# Altium PCB X3_Developer_RF.PcbDoc
Units mm, origin at the board's own origin, x right, y up, seen from the top; angles counter-clockwise.
Board outline 43.5 x 41.6 mm, 2 copper layers (Top Layer, Bottom Layer); 60 components, 38 nets, 167 pads, 111 vias.
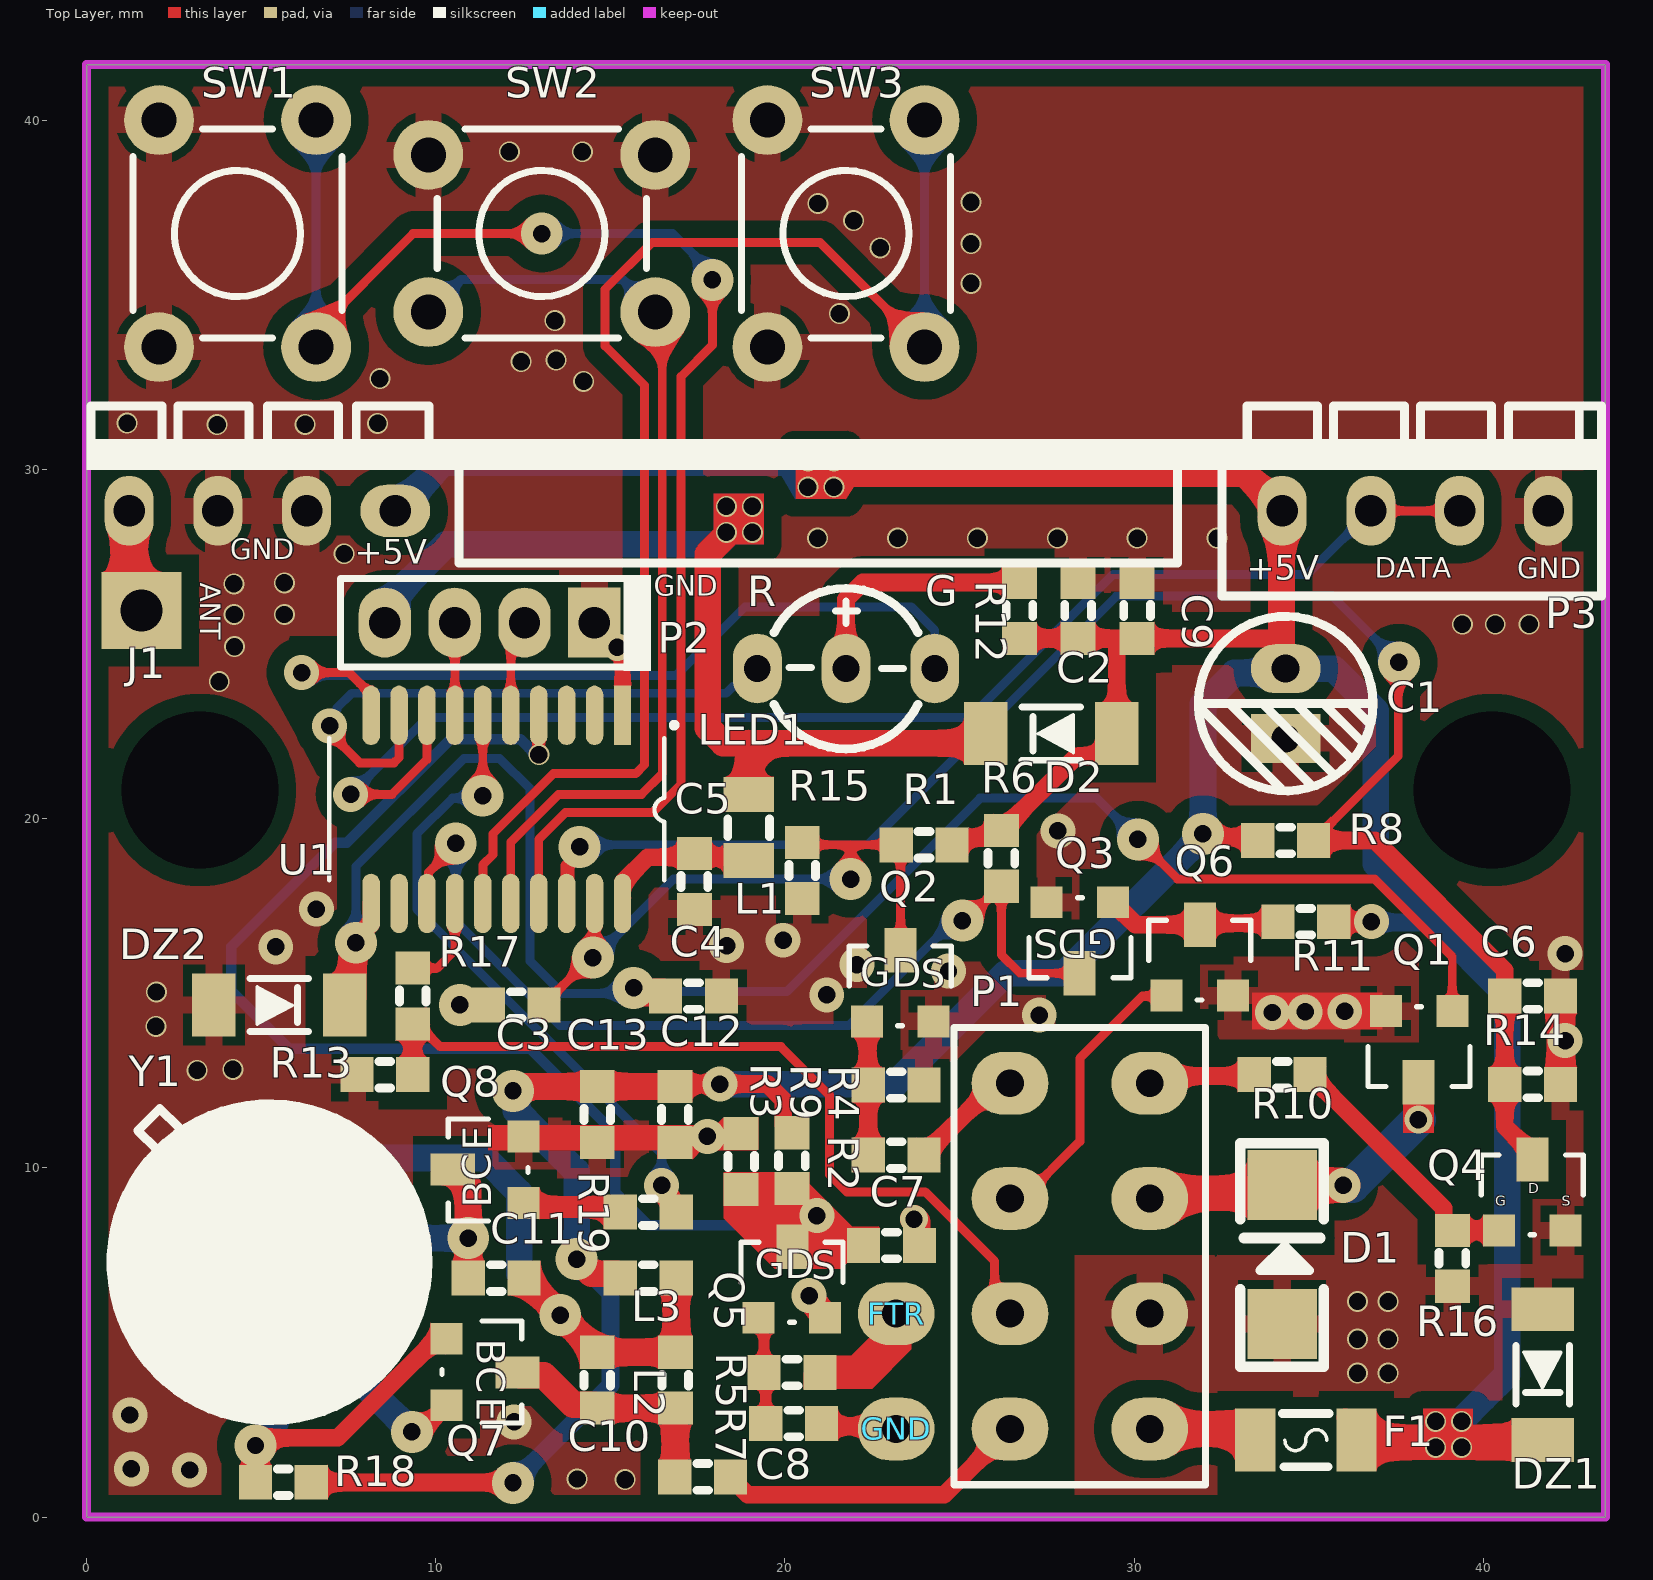
[diagram p0: Top Layer view]
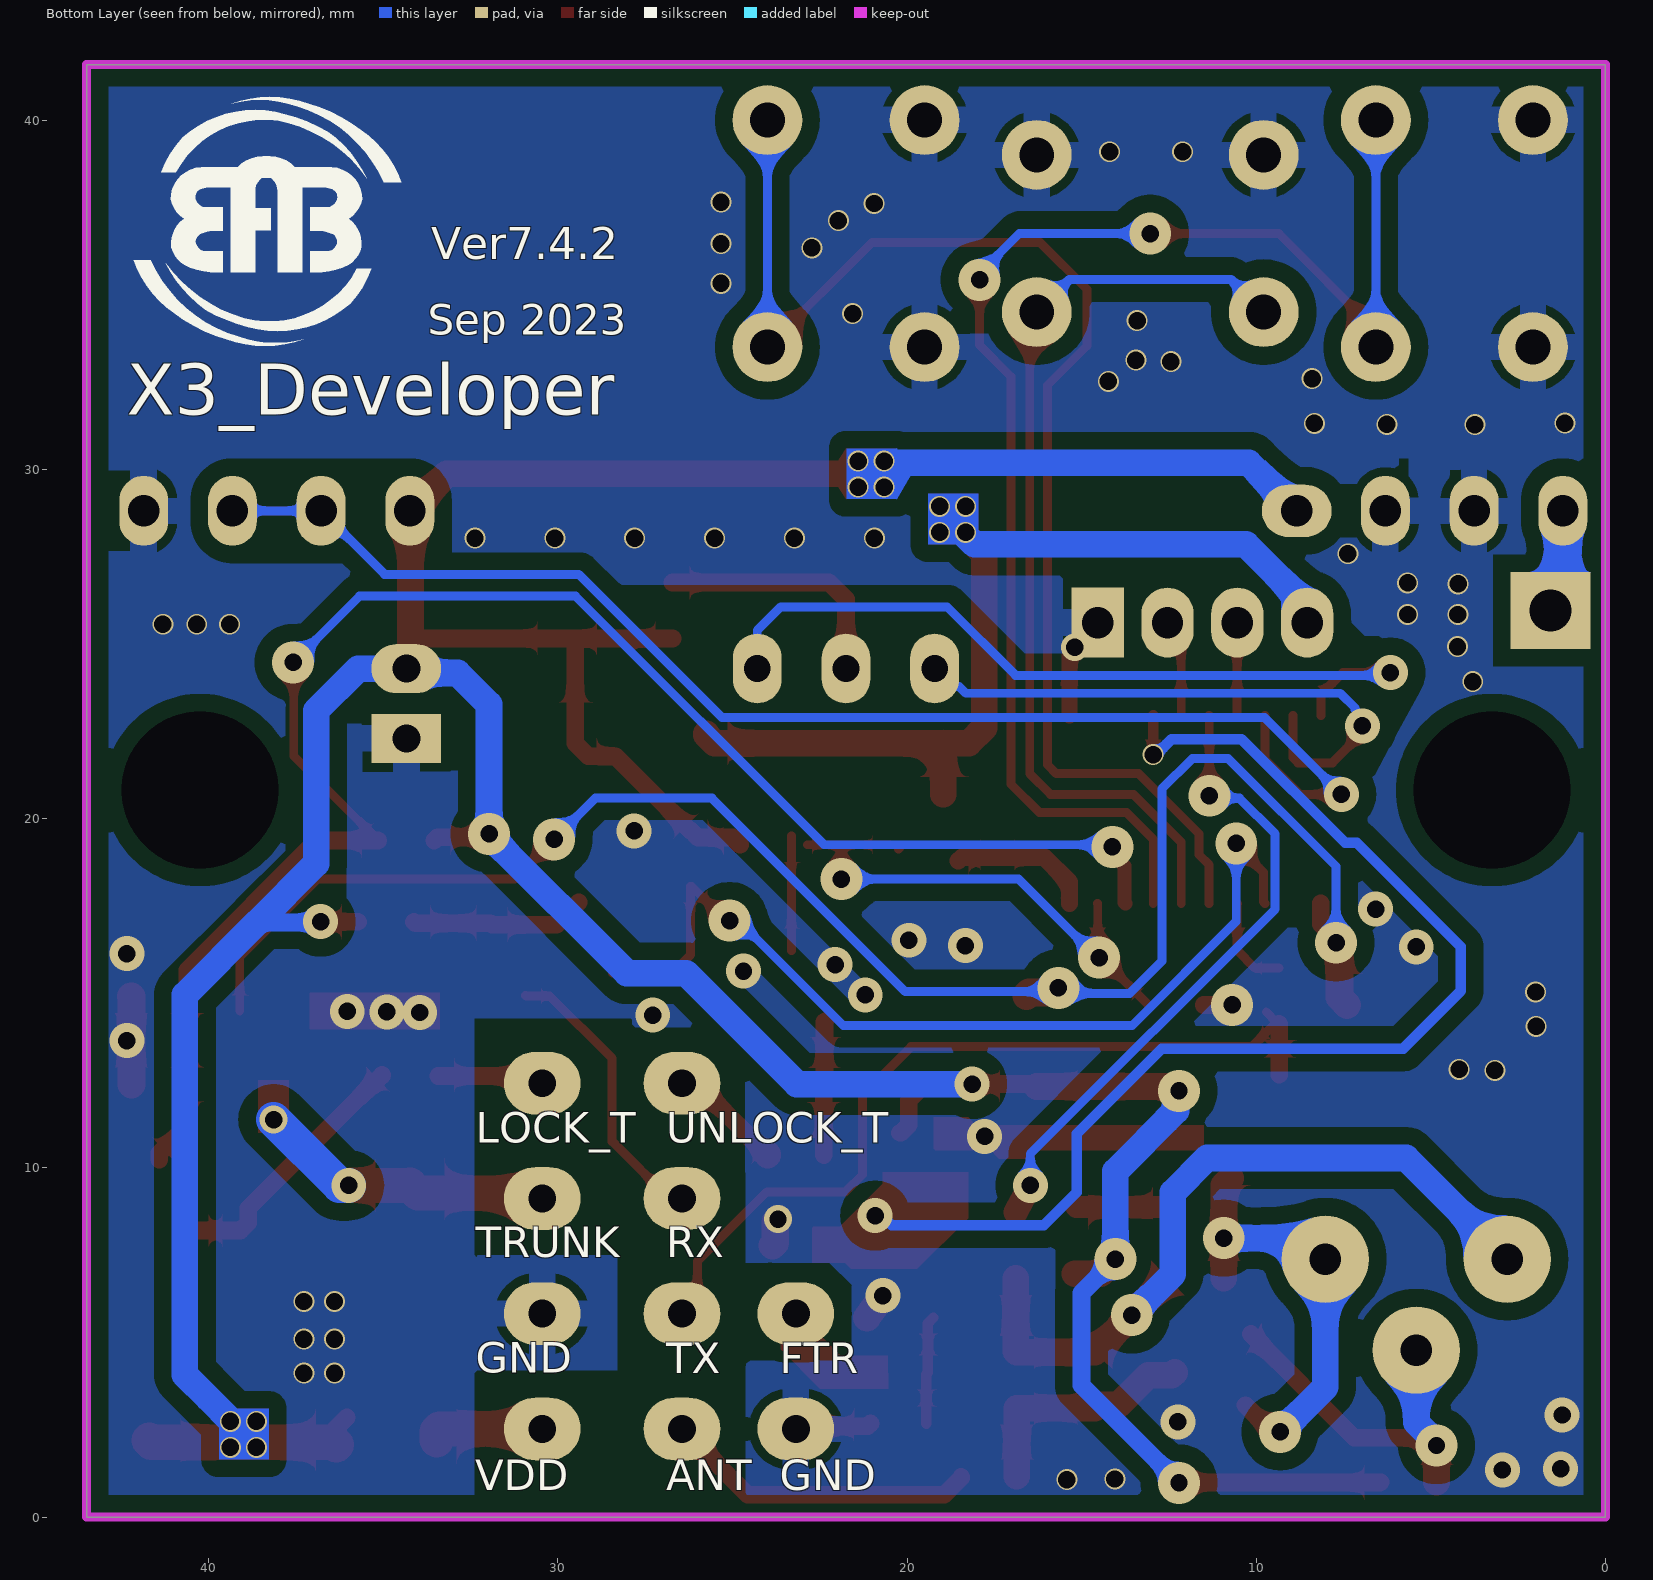
[diagram p1: Bottom Layer view, seen from below]
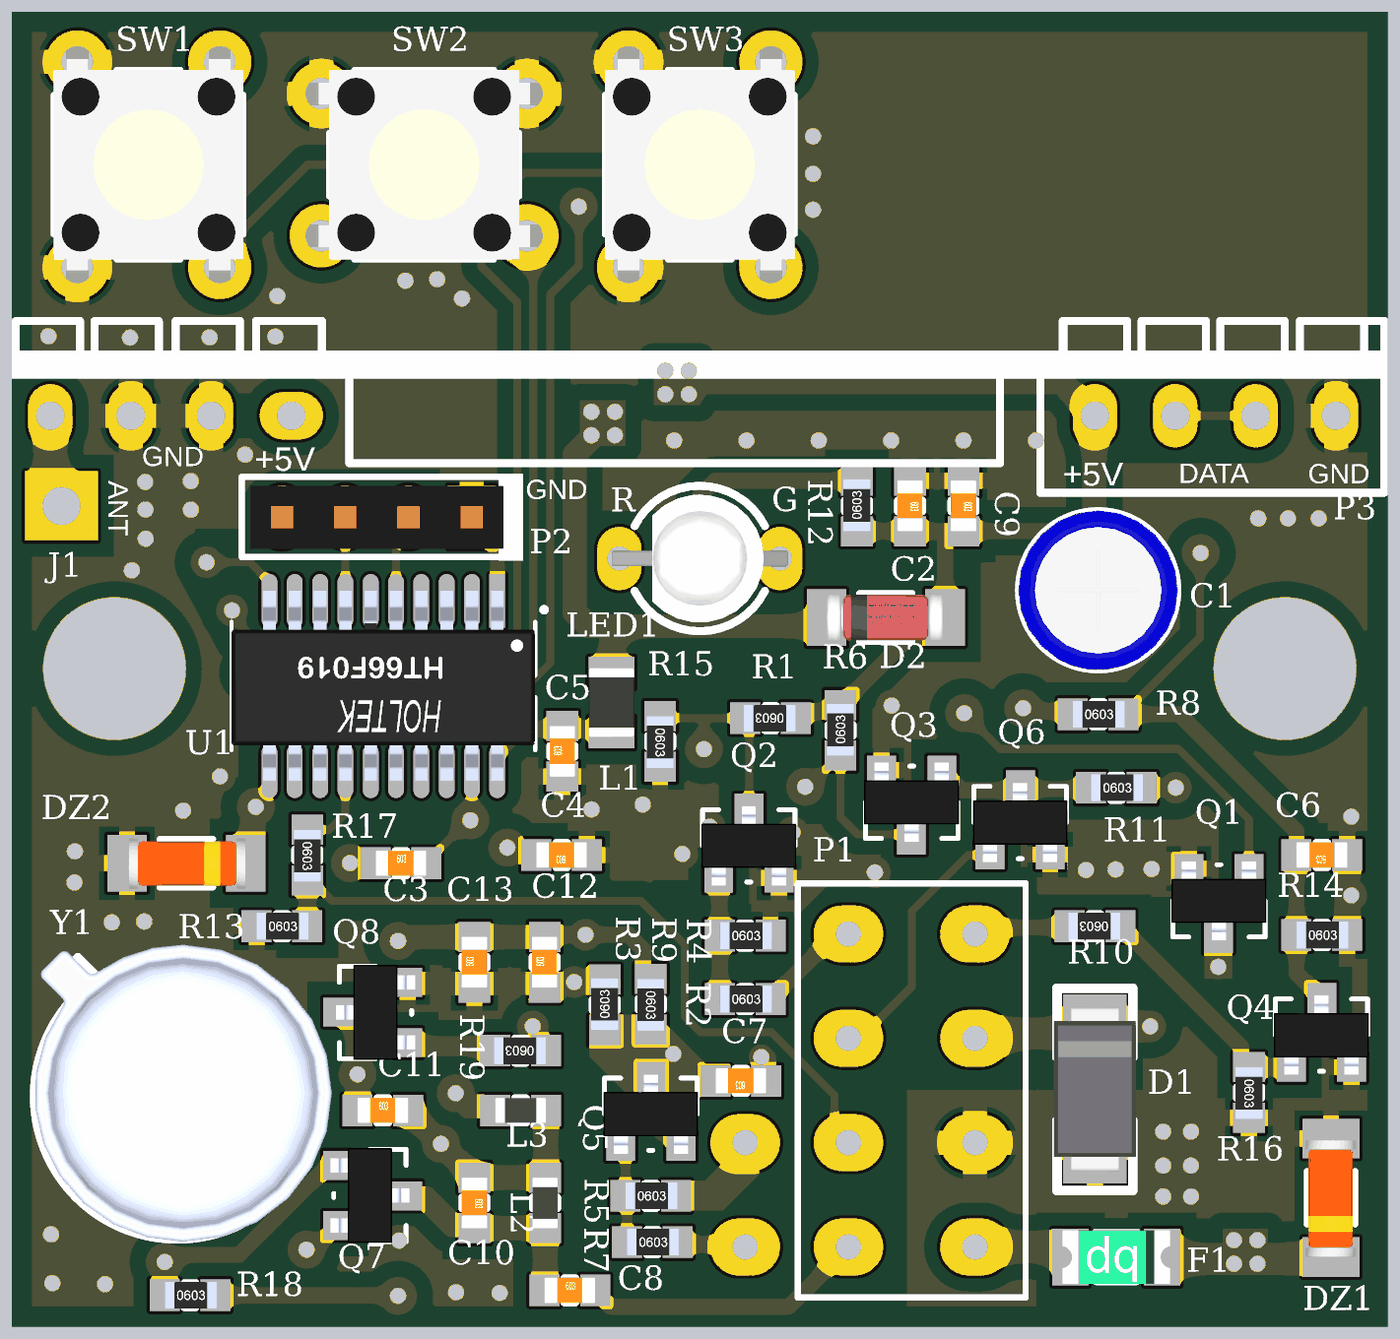
[diagram p2: 3D render of the assembled board from above, using the file's embedded part models]

## Layer stack, top to bottom
Top Solder: solder mask 0.0102, Solder Resist, Dk 3.5
Top Layer: signal copper 0.0356
Dielectric 1: dielectric 0.32, FR-4, Dk 4.8
Bottom Layer: signal copper 0.0356
Bottom Solder: solder mask 0.0102, Solder Resist, Dk 3.5

## Board outline
0,0 0,41.6 43.5,41.6 43.5,0

## Design rules (kind name [scope] priority, off if disabled: settings)
Clearance [All] p1: gap=0.254 ignorepadtopadclearanceinfootprint=TRUE except(0: Arc-Hole Track-Hole SMDPad-Hole THPad-Hole Via-Hole Fill-Hole Poly-Hole Region-Hole Text-Hole; 0.508: Arc-Poly Track-Poly SMDPad-Poly THPad-Poly Via-Poly Fill-Poly Poly-Poly Poly-Region Region-Region)
ComponentClearance [All] p1: gap=0 collisioncheckmode=3 verticalgap=0 showdistances=FALSE
HoleSize [All] p1: absolutevalues=TRUE maxlimit=5 minlimit=0.025 maxpercent=80.000 minpercent=20.000
HoleToHoleClearance [All] p1: gap=0 allowstackedmicrovias=TRUE
MinimumSolderMaskSliver [All] p1: minsoldermaskwidth=0
PolygonConnect [All] p1: thpad.connectstyle=Relief thpad.reliefconductorwidth=0.762 thpad.reliefentries=4 thpad.polygonreliefangle="90 Angle" thpad.airgapwidth=0.254 smdpad.connectstyle=Relief smdpad.reliefconductorwidth=0.508 smdpad.reliefentries=4 smdpad.polygonreliefangle="90 Angle" smdpad.airgapwidth=0.254 via.connectstyle=Direct via.reliefconductorwidth=0.254 via.reliefentries=4 via.polygonreliefangle="90 Angle" via.airgapwidth=0.254
RoutingVias [All] p1: holewidth=0.5 width=0.6 viastyle="Through Hole" minholewidth=0.5 minwidth=0.5 maxholewidth=5 maxwidth=2
ShortCircuit [All] p1: allowed=TRUE
SilkToSilkClearance [All] p1: silktosilkclearance=0
SilkToSolderMaskClearance [IsPad] p1: minsilkscreentomaskgap=0 clearancetoexposedcopper=TRUE
SolderMaskExpansion [All] p1: expansion=0.102 istentingtop=FALSE
UnRoutedNet [All] p1: checkbadconnections=TRUE
Width [All] p1: maxlimit=5.08 minlimit=0.254 preferedwidth=0.254
22 further rules are at their usual default settings.

## Components (designator, comment, footprint, x,y, rotation, side; value= is the part's Value field where it differs from the comment)
C1 "1UF/50V_5x11MM" CAP_5MM 34.342,23.299 r270 top
C2 "100NF_0603_50V" CAP_0603_NOMINAL 28.398,25.966 r270 top
C3 "100NF_0603_50V" CAP_0603_NOMINAL 12.305,14.665 r0 top value=100nF
C4 "100NF_0603_50V" CAP_0603_NOMINAL 17.384,14.924 r180 top value=100nF
C5 "100NF_0603_50V" CAP_0603_NOMINAL 17.407,18.206 r90 top
C6 "100NF_0603_50V" CAP_0603_NOMINAL 41.414,14.924 r180 top value=100nF
C7 "NC" Cap_0603_Nominal 23.051,7.78 r180 top value=100NF_0603_50V
C8 "4PF_0603_50V" CAP_0603_NOMINAL 17.644,1.154 r0 top value=4PF_0603
C9 "100NF_0603_50V" CAP_0603_NOMINAL 30.088,25.966 r270 top
C10 "NC" CAP_0603_NOMINAL 14.626,3.921 r270 top value=?pF
C11 "12PF_0603_50V" CAP_0603_NOMINAL 11.732,6.846 r0 top value=12PF_0603
C12 "1UF_0603_25V" CAP_0603_NOMINAL 16.848,11.533 r90 top
C13 "100NF_0603_50V" CAP_0603_NOMINAL 14.626,11.533 r90 top
D1 "IN4007(M7)_SMA" DIODE_SMA 34.241,7.52 r90 top
D2 "1N4148_MINIMELF" DIODE_MINIMELF 27.63,22.438 r180 top
DZ1 "NC" DIODE_ZENER_MINIMELF 41.704,4.083 r270 top value=ZENER_5.1V_MINIMELF
DZ2 "NC" Diode_ZENER_MINIMELF 5.522,14.665 r0 top value=ZENER_5.1V_MINIMELF
F1 "1A_1206" FUSE_1206_NOMINAL 34.92,2.207 r180 top
FTR "TESTPOINT_SMD" TPSMD_D1 23.187,5.826 r270 top net-tie value=VALUE
GND "TESTPOINT_SMD" TPSMD_D1 23.187,2.526 r90 top net-tie value=VALUE
J1 "ANT" PIN1 -2.564,30.807 r0 top
L1 "10UH_0805" INDUCTOR_0805_Nominal 18.961,19.75 r270 top
L2 "39NH_0603" INDUCTOR_0603_NOMINAL 16.861,3.921 r270 top
L3 "27NH_0603" INDUCTOR_0603_NOMINAL 16.086,6.846 r0 top
LED1 "LED_3mm_ComA" LED_3MM_COMA 21.75,24.303 r0 top
P1 "Header 4X2_2.54MM" CON_2X4PIN 25.3,0.926 r0 top
P2 "HEADER_FEMALE_4PIN_2.54MM" HDR_F_1X4_2mm 11.542,25.618 r0 top
P3 "CY28_Module" RF_RXB6 1.221,28.819 r0 top locked
Q1 "LDTD143ELT1G(E6)_SOT23" SOT23 38.161,13.475 r180 top
Q2 "Si2302CDS_SOT23" SOT23_MOSFET 23.3,15.214 r0 top
Q3 "Si2302CDS(N2)_SOT23" SOT23_MOSFET 28.449,16.593 r180 top
Q4 "Si2302CDS_SOT23" SOT23_MOSFET 41.402,9.228 r0 top
Q5 "NC" SOT23_MOSFET 20.202,6.727 r0 top
Q6 "LDTD143ELT1G(E6)_SOT23" SOT23 31.877,15.951 r0 top
Q7 "MAR3356 (H7D)_SOT23" SOT23_BJT 11.324,4.156 r270 top
Q8 "SS8050(Y1)_SOT23" SOT23_BJT 11.502,9.943 r90 top
R1 "1K_0603" RES_0603_NOMINAL 23.987,19.255 r180 top value=120R
R2 "22K_0603" RES_0603_NOMINAL 23.187,10.368 r0 top value=120R
R3 "NC" Res_0603_Nominal 18.749,10.183 r90 top value=10K_0603
R4 "10K_0603" RES_0603_NOMINAL 23.187,12.375 r0 top value=120R
R5 "NC" Res_0603_Nominal 20.202,4.143 r0 top value=22K_0603
R6 "10K_0603" Res_0603_Nominal 26.2,18.869 r90 top
R7 "NC" Res_0603_Nominal 20.251,2.68 r0 top value=10K_0603
R8 "1K_0603" RES_0603_NOMINAL 34.342,19.377 r0 top value=120R
R9 "NC" Res_0603_Nominal 20.201,10.208 r270 top value=1K_0603
R10 "22K_0603" RES_0603_NOMINAL 34.241,12.671 r180 top value=120R
R11 "10K_0603" RES_0603_NOMINAL 34.92,17.052 r0 top
R12 "0.47K_0603" RES_0603_NOMINAL 26.718,25.966 r90 top
R13 "4.7K_0603" RES_0603_NOMINAL 8.543,12.671 r0 top
R14 "10K_0603" RES_0603_NOMINAL 41.414,12.394 r0 top value=1K
R15 "10K_0603" RES_0603_NOMINAL 20.498,18.517 r270 top value=1K
R16 "10K_0603" RES_0603_NOMINAL 39.114,7.412 r270 top value=120R
R17 "3.3K_0603" RES_0603_NOMINAL 9.343,14.924 r270 top
R18 "18K_0603_50V" RES_0603_NOMINAL 5.638,1 r0 top value=18K_0603
R19 "18K_0603_50V" RES_0603_NOMINAL 16.086,8.736 r180 top value=18K_0603
SW1 "4PIN_6*6" SWITCH_DIP_6*6 4.326,36.76 r90 top locked
SW2 "4PIN_6*6" SWITCH_DIP_6*6 13.038,36.76 r0 top locked
SW3 "4PIN_6*6" SWITCH_DIP_6*6 21.75,36.76 r90 top locked
U1 "HT66F019_NSOP20" NSOP20 11.749,20.269 r270 top
Y1 "R315A_TO-39" CRYSTAL_TO39 5.42,7.389 r45 top

## Footprints (in the part's own frame and the unit in brackets; to place one, negate y for a bottom-side part, rotate by r counter-clockwise, add the part's x,y. Pads: shape width x height; smd on the part's side, far side on the other; paste and mask are expansions set on the pad)
CAP_5MM [mm]
  oval 1.4x2 hole 0.8: 1(-1,0)
  rect 1.4x2 hole 0.8: 2(1,0)
  silkscreen extent -2.5,-2.5 2.5,2.5, body extent -2.53,-2.53 2.53,2.53, height 11.33
CAP_0603_NOMINAL [mm]
  rect 0.95x1 smd: 1(-0.8,0) 2(0.8,0)
  silkscreen extent -0.17,-0.38 0.17,0.38, body extent -0.8,-0.4 0.8,0.4, height 0.3
Cap_0603_Nominal [mm]
  rect 0.95x1 smd: 1(-0.8,0) 2(0.8,0)
  silkscreen extent -0.17,-0.38 0.17,0.38, body extent -0.8,-0.4 0.8,0.4, height 0.3
CON_2X4PIN [mm]
  oval 2.2x1.8 hole 0.8: 1(1.15,11.5) 2(5.15,11.5) 3(1.15,8.2) 4(5.15,8.2) 5(1.15,4.9) 6(5.15,4.9) 7(1.15,1.6) 8(5.15,1.6)
  silkscreen extent -0.45,0 6.75,13.1
CRYSTAL_TO39 [mil]
  round 0 / inner round 0 / far side round 98.43 hole 35.43: 1(-72.5,72.5) 2(-72.5,-72.5) 3(72.5,-72.5)
  silkscreen extent -186,-176 171,213, body extent -262,-262 262,262, height 264
DIODE_MINIMELF [mm]
  rect 1.25x1.8 smd: 1(-1.875,0) 2(1.875,0)
  silkscreen extent -0.84,-0.76 0.84,0.76, body extent -1.82,-0.8 1.88,0.8, height 1.6
DIODE_SMA [mm]
  rect 2x2 smd: 1(-1.99,0) 2(1.99,0)
  silkscreen extent -3.21,-1.19 3.19,1.2, body extent -2.6,-1.3 2.6,1.3, height 2.45
DIODE_ZENER_MINIMELF [mm]
  rect 1.25x1.8 smd: 1(-1.875,0) 2(1.875,0)
  silkscreen extent -0.84,-0.76 0.84,0.76, body extent -1.82,-0.81 1.88,0.79, height 1.61
Diode_ZENER_MINIMELF [mm]
  rect 1.25x1.8 smd: 1(-1.875,0) 2(1.875,0)
  silkscreen extent -0.84,-0.76 0.84,0.76, body extent -1.82,-0.81 1.88,0.79, height 1.61
FUSE_1206_NOMINAL [mm]
  rect 1.15x1.8 smd: 1(1.45,0) 2(-1.45,0)
  silkscreen extent -0.67,-0.76 0.67,0.76, body extent -1.7,-0.85 1.7,0.85, height 0.81
HDR_F_1X4_2mm [mm]
  oval 1.5x2 hole 0.9: 1(-3,0) 2(-1,0) 3(1,0)
  rect 1.5x2 hole 0.9: 4(3,0)
  silkscreen extent -4.27,-1.27 4.21,1.27, body extent -4,-1.01 4,0.99, height 4.36
INDUCTOR_0603_NOMINAL [mm]
  rect 0.95x1 smd: 1(-0.8,0) 2(0.8,0)
  silkscreen extent -0.17,-0.38 0.17,0.38, body extent -0.8,-0.4 0.8,0.4, height 0.8
INDUCTOR_0805_Nominal [mm]
  rect 1x1.45 smd: 1(-0.95,0) 2(0.95,0)
  silkscreen extent -0.25,-0.6 0.25,0.6, body extent -1.1,-0.72 1.1,0.73, height 0.55
LED_3MM_COMA [mm]
  oval 1.4x2 hole 0.762: 1(-2.54,0) 2(2.54,0) 3(0,0)
  silkscreen extent -2.06,-2.3 2.06,2.3, body extent -2.79,-2.02 2.79,2.03, height 6.81
NSOP20 [mm]
  rect 1.7x0.5 smd: 1(-2.692,3.6)
  oval 1.7x0.5 smd: 2(-2.692,2.8) 3(-2.692,2) 4(-2.692,1.2) 5(-2.692,0.4) 6(-2.692,-0.4) 7(-2.692,-1.2) 8(-2.692,-2) 9(-2.692,-2.8) 10(-2.692,-3.6) 11(2.692,-3.6) 12(2.692,-2.8) 13(2.692,-2) 14(2.692,-1.2) 15(2.692,-0.4) 16(2.692,0.4) 17(2.692,1.2) 18(2.692,2) 19(2.692,2.8) 20(2.692,3.6)
  silkscreen extent -2.44,-4.8 2.03,5.11, body extent -3.01,-4.8 2.99,4.8, height 1.65
PIN1 [mm] "Connector; Plug"
  rect 2.3x2.2 hole 1.2: 1(4.138,-4.841)
RES_0603_NOMINAL [mm]
  rect 0.95x1 smd: 1(-0.8,0) 2(0.8,0)
  silkscreen extent -0.17,-0.38 0.17,0.38, body extent -0.8,-0.42 0.84,0.43, height 0.26
Res_0603_Nominal [mm]
  rect 0.95x1 smd: 1(-0.8,0) 2(0.8,0)
  silkscreen extent -0.17,-0.38 0.17,0.38, body extent -0.8,-0.42 0.84,0.43, height 0.26
RF_RXB6 [mm]
  oval 1.4x2 hole 0.9: 1(0,0) 2(2.54,0) 3(5.08,0) 5(33.02,0) 6(35.56,0) 7(38.1,0) 8(40.64,0)
  oval 2x1.5 hole 0.9: 4(7.62,0)
  silkscreen extent -1.22,-2.44 42.27,3
SOT23 [mil]
  rect 36x36 smd: 1(-37.5,-40) 2(37.5,-40)
  rect 36x50 smd: 3(0.5,40)
  silkscreen extent -57,-45 58,45, body extent -59,-49 59,49, height 42
SOT23_BJT [mil]
  rect 36x36 smd: 1(-37.5,-40) 2(37.5,-40)
  rect 36x50 smd: 3(0.5,40)
  silkscreen extent -57,-45 58,45, body extent -59,-49 59,49, height 42
SOT23_MOSFET [mil]
  rect 36x36 smd: 1(-37.5,-40) 2(37.5,-40)
  rect 36x50 smd: 3(0.5,40)
  silkscreen extent -58,-45 58,45, body extent -59,-49 59,49, height 42
SWITCH_DIP_6*6 [mm]
  round 2 hole 1: 1(-3.25,2.25) 1(3.25,2.25) 2(-3.25,-2.25) 2(3.25,-2.25)
  silkscreen extent -3,-3 3,3, body extent -3.85,-3 3.85,3, height 4.3
TPSMD_D1 [mm] "Test Point, SMD Pad, Circle, 1mm X 1mm"
  oval 1.8x2.2 hole 0.8: 1(0,0)
